# Altium PCB X-Fly.PcbDoc
Units mm, origin at the board's own origin, x right, y up, seen from the top; angles counter-clockwise.
Board outline 91.8 x 91.8 mm, 2 copper layers (Top Layer, Bottom Layer), stack 1.671 mm thick; 55 components, 37 nets, 194 pads, 79 vias.
Unrouted connection lines stored in the file: 15.
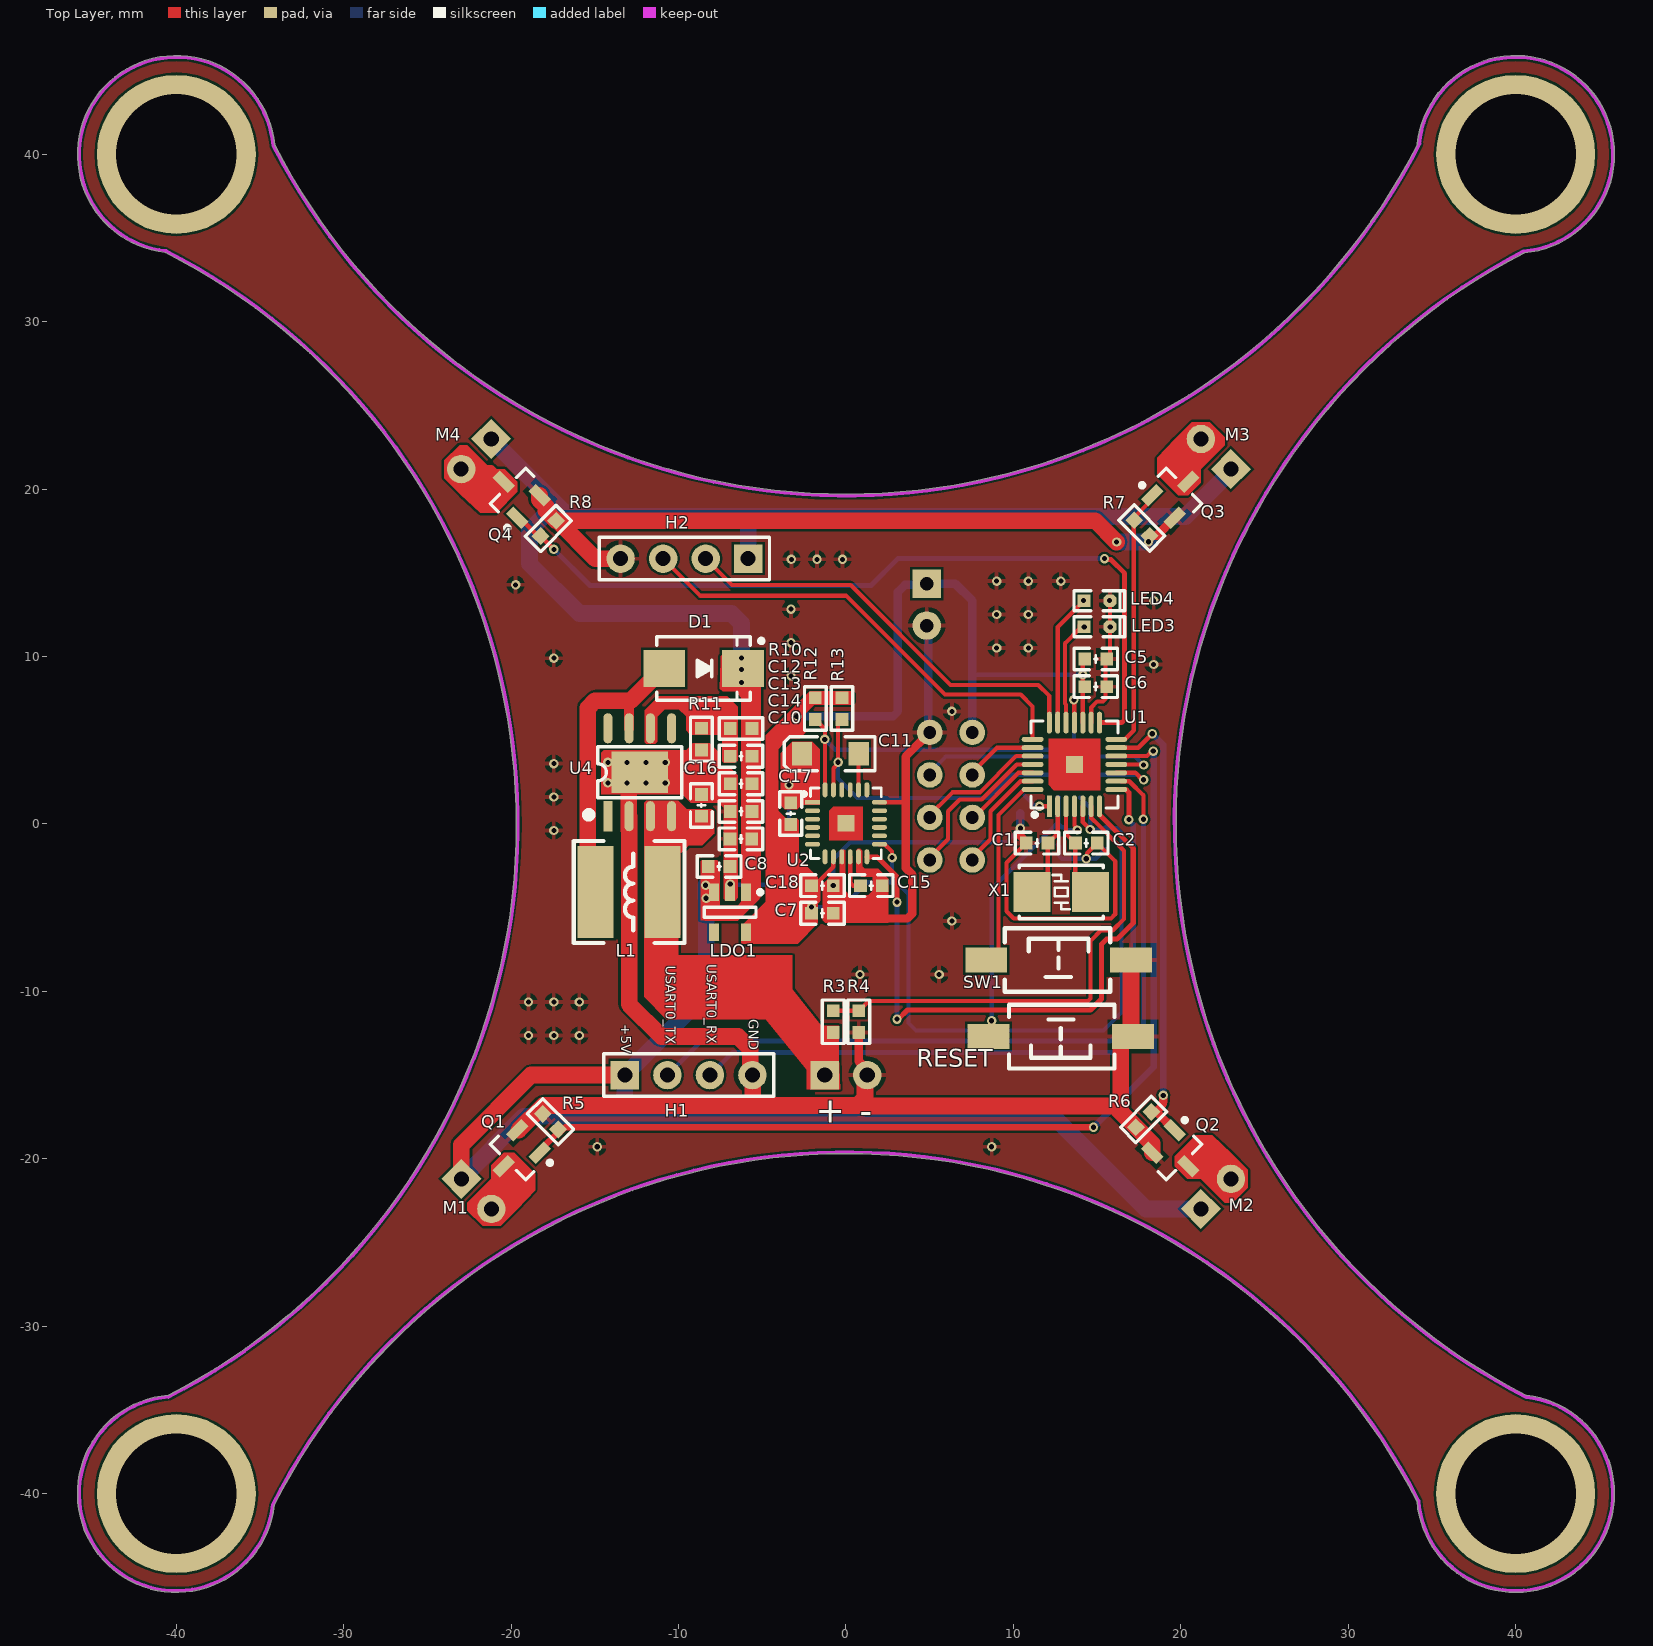
[diagram p0: Top Layer view]
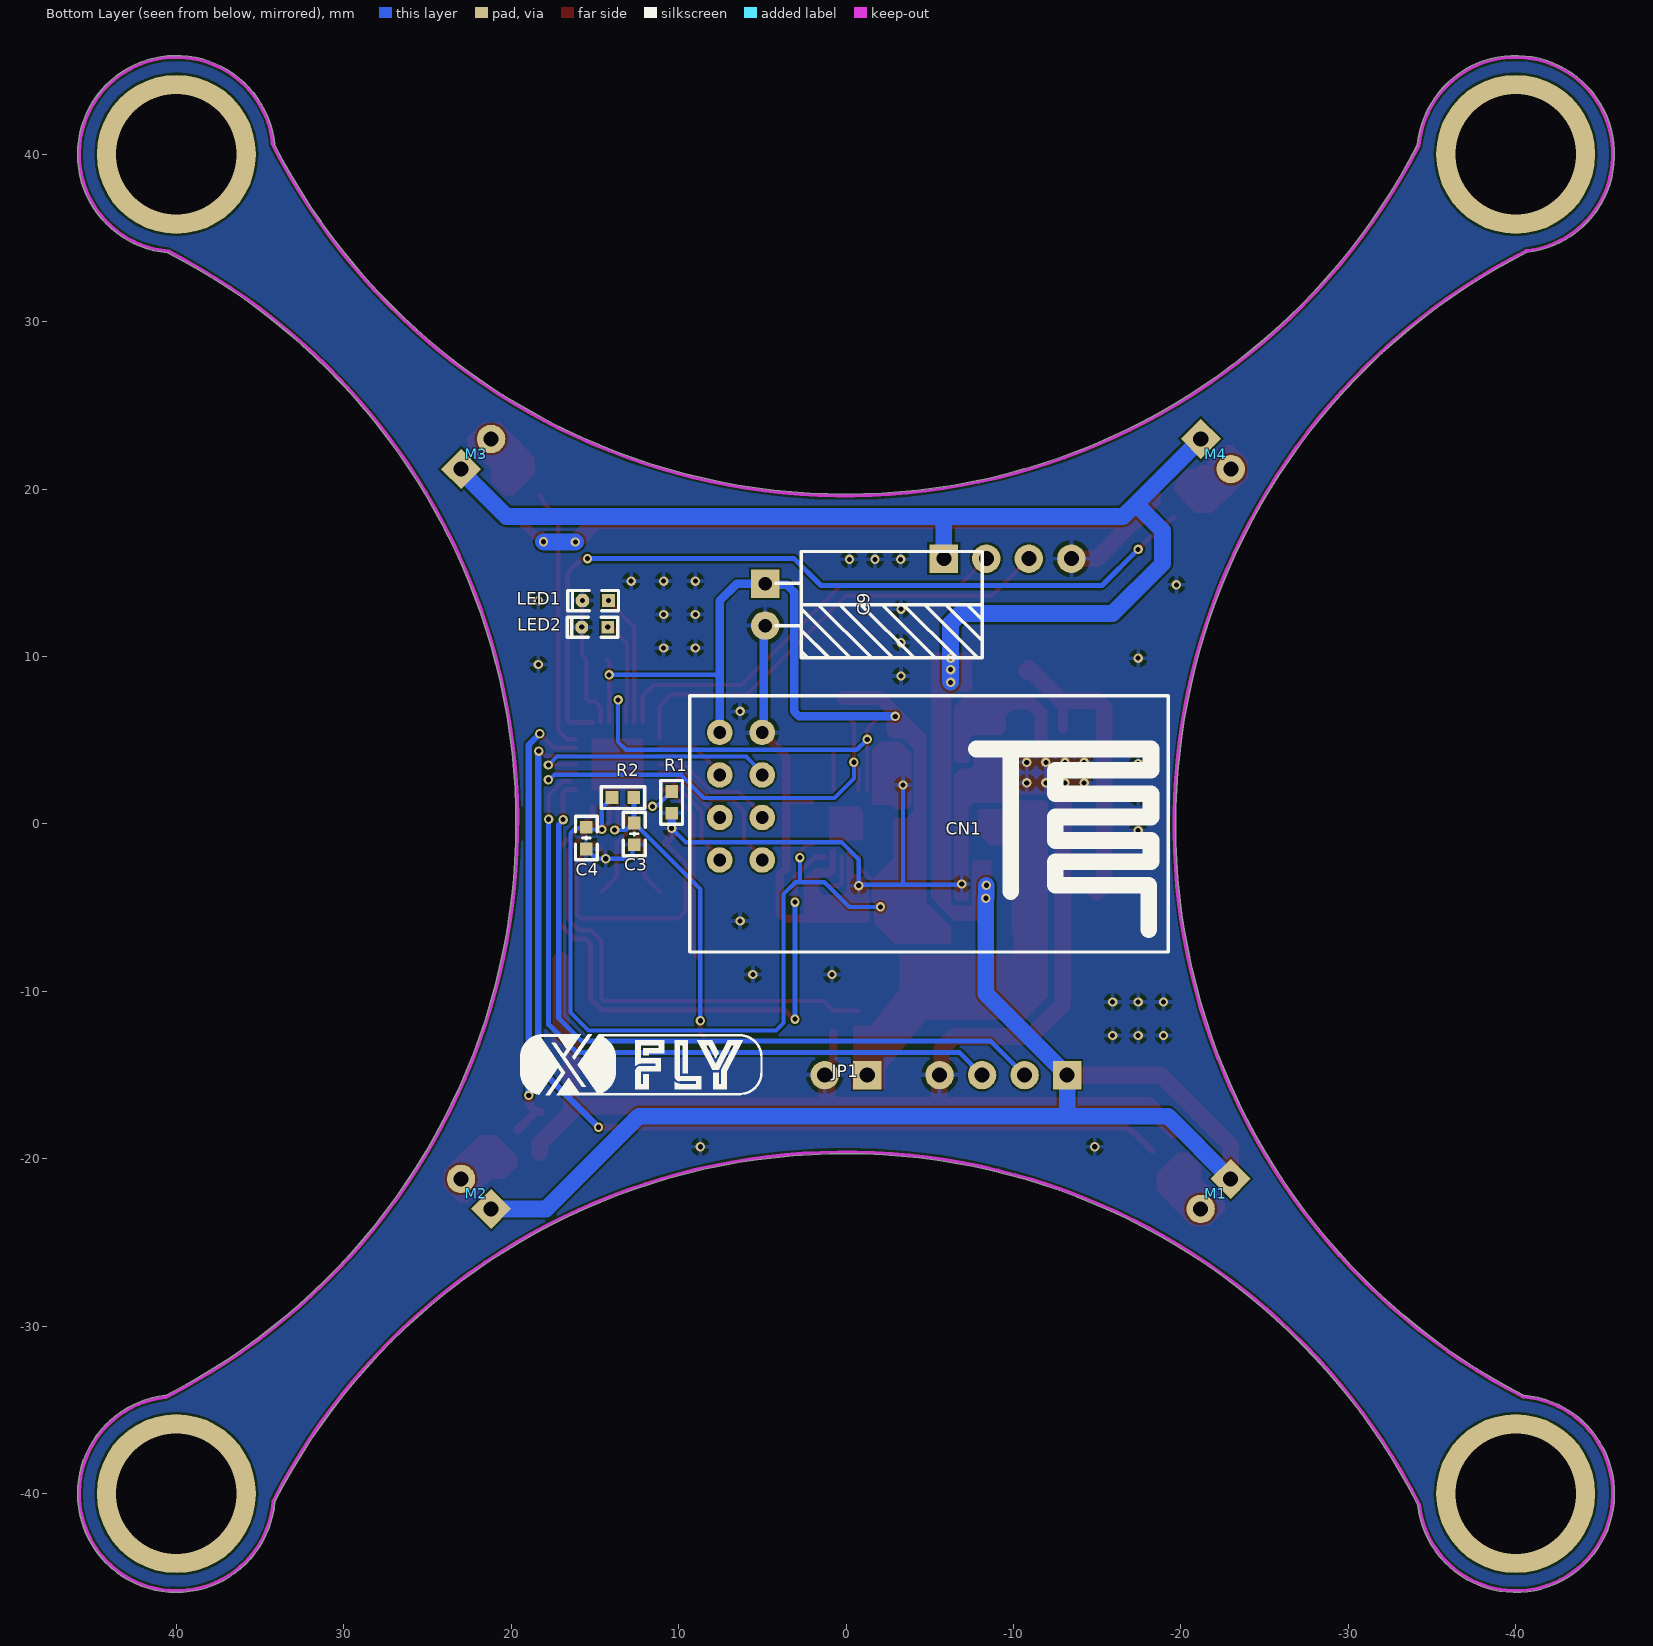
[diagram p1: Bottom Layer view, seen from below]

## Layer stack, top to bottom
Top Solder: solder mask 0.0102, Solder Resist, Dk 3.5
Top Layer: signal copper 0.0356
Dielectric 1: dielectric 1.6, FR-4, Dk 4.8
Bottom Layer: signal copper 0.0356
Bottom Solder: solder mask 0.0102, Solder Resist, Dk 3.5

## Board outline
-40.483,-34.119 ccw(c-40,-40) -34.138,-40.671 ccw(c-34.238,-40.66) -34.137,-40.66 ccw(c-34.238,-40.66) -34.137,-40.657 cw(c0.04,-58.031) 34.118,-40.464 ccw(c40,-40) 45.9,-40 ccw(c40,-40) 40.653,-34.136 cw(c58.054,0.028) 40.519,34.123 ccw(c40,40) 45.9,40 ccw(c40,40) 34.134,40.636 ccw(c34.234,40.626) 34.139,40.591 cw(c0,58.039) -34.127,40.567 ccw(c-40,40) -40.654,34.136 ccw(c-40.608,34.225) -40.654,34.136 cw(c-58.031,-0.04) -19.691,-0.04 cw(c-58.031,-0.04) -40.467,-34.119 ccw(c-40.474,-34.219)

## Design rules (kind name [scope] priority, off if disabled: settings)
Clearance [All] p1: gap=0.127 ignorepadtopadclearanceinfootprint=FALSE
ComponentClearance [All] p1: gap=-0.025 collisioncheckmode=3 verticalgap=-0.025 showdistances=FALSE
HoleSize [All] p1: absolutevalues=TRUE maxlimit=254 minlimit=0.025 maxpercent=80.000 minpercent=20.000
MinimumSolderMaskSliver [All] p1: minsoldermaskwidth=-0.025
PolygonConnect [All] p1: connectstyle=Relief reliefconductorwidth=0.254 reliefentries=4 polygonreliefangle="90 Angle" airgapwidth=0.254
RoutingVias [All] p1: holewidth=0.305 width=0.559 viastyle="Through Hole" minholewidth=0.305 minwidth=0.559 maxholewidth=254 maxwidth=254
SilkToSilkClearance [All] p1: silktosilkclearance=-0.025
SilkToSolderMaskClearance [IsPad] p1: minsilkscreentomaskgap=-0.025 clearancetoexposedcopper=TRUE
SolderMaskExpansion [All] p1: expansion=0.064
Width [All] p1: maxlimit=4 minlimit=0.254 preferedwidth=0.254
25 further rules are at their usual default settings.

## Components (designator, comment, footprint, x,y, rotation, side; value= is the part's Value field where it differs from the comment)
C1 "22pF" C0603_L 11.415,-1.143 r0 top
C2 "22pF" C0603_L 14.351,-1.143 r180 top
C3 "100nF" C0603_L 12.649,-0.59 r270 bottom
C4 "100nF" C0603_L 15.511,-0.838 r90 bottom
C5 "4.7uF" C0603_L 14.918,9.855 r0 top
C6 "100nF" C0603_L 14.918,8.204 r180 top
C7 "1uF" C0603_L -1.412,-5.334 r180 top
C8 "1uF" C0603_L -7.573,-2.54 r180 top
C9 "100uF" "CAP 2.5*6.3*11.2-H - BK" 4.826,13.101 r270 bottom locked
C10 "22uF" C0603_L -6.273,-0.889 r0 top
C11 "222" C_3216 -0.938,4.191 r0 top
C12 "22pF" C0603_L -6.266,4.051 r0 top
C13 "22uF" C0603_L -6.266,2.4 r0 top
C14 "104" C0603_L -6.266,0.749 r0 top
C15 "104" C0603_L 1.509,-3.683 r0 top
C16 "22uF" C0603_L -8.636,1.115 r270 top
C17 "103" C0603_L -3.302,0.62 r90 top
C18 "104" C0603_L -1.412,-3.683 r0 top
CN1 "A2005WV-2X4P" .4G无线模块 9.344,7.65 r270 bottom
D1 "SS24" SMB -8.509,9.286 r180 top
H1 "1125-1104G0S116C001" HDR2.54-WI-4P -9.398,-15 r0 top
H2 "1125-1104G0S116C001" HDR2.54-WI-4P -9.652,15.85 r180 top
JP1 "HDR-1X2" XH2.54-WI-2P 0,-15 r0 bottom
L1 "2.2uH" CD52 -12.954,-4.064 r180 top
LDO1 "ME6211C33M5G-N" SOT-23-5 -6.923,-5.277 r270 top
LED1 "红色" LED0603_R 14.963,13.344 r0 bottom
LED2 "红色" LED0603_R 15.008,11.755 r0 bottom
LED3 "红色" LED0603_R 14.993,11.775 r0 top (schematic designator LED2)
LED4 "红色" LED0603_R 14.993,13.335 r0 top (schematic designator LED1)
M1 "HDR-1X2" XH2.54-WI-2P -22.08,-22.098 r315 bottom locked
M2 "HDR-1X2" XH2.54-WI-2P 22.098,-22.098 r45 bottom locked
M3 "HDR-1X2" XH2.54-WI-2P 22.098,22.098 r135 bottom locked
M4 "HDR-1X2" XH2.54-WI-2P -22.089,22.098 r225 bottom locked
Q1 "SI2302" SOT23-3N -19.705,-19.705 r225 top
Q2 "SI2302" SOT23-3N 19.705,-19.705 r315 top
Q3 "SI2302" SOT23-3N 19.705,19.705 r45 top
Q4 "SI2302" SOT23-3N -19.705,19.705 r135 top
R1 "10K" R0603_L 10.414,1.296 r270 bottom
R2 "10K" R0603_L 13.328,1.575 r0 bottom
R3 "10K" R0603_L -0.762,-11.811 r90 top
R4 "10K" R0603_L 0.762,-11.811 r270 top
R5 "33K" R0603_L -17.653,-17.78 r315 top
R6 "33K" R0603_L 17.78,-17.653 r45 top
R7 "33K" R0603_L 17.673,17.678 r135 top
R8 "33K" R0603_L -17.78,17.653 r225 top
R10 "440K" R0603_L -6.266,5.702 r0 top
R11 "60K" R0603_L -8.636,5.065 r90 top
R12 "4.7K" R0603_L -1.831,6.89 r90 top
R13 "4.7K" R0603_L -0.242,6.89 r90 top
RESET "TSA363G25-250B" "SW SMD-3*6*5" 12.827,-12.7 r180 top (schematic designator SW2)
SW1 "TSA363G25-250B" "SW SMD-3*6*5" 12.7,-8.128 r0 top
U1 "GD32E230G4U6TR" "QFN28 5x5_M" 13.646,3.556 r0 top
U2 "MPU6050" "QFN24 4x4_N" 0,0.042 r270 top
U4 "MST9225" ESOP8_N -12.319,3.09 r90 top
X1 "8MHz" "OSC 5032-2P" 12.855,-4.064 r180 top

## Footprints (in the part's own frame and the unit in brackets; to place one, negate y for a bottom-side part, rotate by r counter-clockwise, add the part's x,y. Pads: shape width x height; smd on the part's side, far side on the other; paste and mask are expansions set on the pad)
.4G无线模块 [mil] "立创2.4G无线通信模块-Si24R1"
  round 60 hole 30: 1(85.83,170.87) 2(85.83,70.87) 3(185.83,170.87) 4(185.83,70.87) 5(285.83,170.87) 6(285.83,70.87) 7(385.83,170.87) 8(385.83,70.87)
  silkscreen extent 0,0 602,1126
C0603_L [mil] "无极性贴片电容"
  rect 30x30 smd: 1(-25.59,0) 2(25.59,0)
  silkscreen extent -51,-26 51,26, body extent -31,-16 31,16, height 33
C_3216 [mm] "A型贴片钽电容 长3.2mm，宽1.6mm，厚1.6mm"
  rect 1.2x1.4 smd: 1(-1.7,0) 2(1.7,0)
  silkscreen extent -2.74,-1.02 2.67,1.02, body extent -1.6,-0.8 1.6,0.8, height 1.63
"CAP 2.5*6.3*11.2-H - BK" [mm] "脚距2.5mm直径6.3mm高度11.2mm"
  rect 1.7x1.7 hole 0.8: 1(-1.25,0)
  round 1.7 hole 0.8: 2(1.25,0)
  silkscreen extent -3.17,0.63 3.18,12.95, body extent -3.08,-0.28 3.23,13.13, height 6.45
CD52 [mm] "5.8*5.2*3mm（长宽高）        淘宝ID:黄晶宝石"
  rect 2.15x5.5 smd: 1(-2,0) 2(2,0)
  silkscreen extent -3.3,-3.05 3.3,3.05, body extent -2.87,-2.5 2.87,2.5, height 3.2
ESOP8_N [mm] "5*6*1.8mm（长宽高）封装库来自淘宝卖家 ID：黄晶宝石"
  rect 1.8x0.55 smd: 1(-2.625,1.905)
  oval 1.8x0.55 smd: 2(-2.625,0.635) 3(-2.625,-0.635) 4(-2.625,-1.905) 5(2.625,-1.905) 6(2.625,-0.635) 7(2.625,0.635) 8(2.625,1.905)
  rect 2.5x3.4 smd paste-2: 9(0,0)
  rect 0.9x0.7 on Top Paste: 10(-0.625,0) 10(-0.625,-1.1) 10(-0.625,1.1) 11(0.65,0) 11(0.65,-1.1) 11(0.65,1.1)
  silkscreen extent -2.69,-2.5 1.52,3.2, body extent -3,-2.5 3,2.5
HDR2.54-WI-4P [mm] "弯脚排针，4脚"
  rect 1.7x1.7 hole 0.9: 1(-3.81,0)
  round 1.7 hole 0.9: 2(-1.27,0) 3(1.27,0) 4(3.81,0)
  silkscreen extent -5.08,-1.27 5.08,1.27, body extent -5.08,-7.77 5.08,1.27, height 4.9
LED0603_R [mil] "红色0603LED"
  rect 30x30 smd: 1(-30.59,0)
  oct 30x30 smd: 2(30.59,-0.01)
  silkscreen extent -54,-24 65,24, body extent -31,-16 31,16, height 24
"OSC 5032-2P" [mm] "5mm*3.2mm*0.8mm(长*宽*高)"
  rect 2.2x2.4 smd: 1(-1.75,0) 2(1.75,0)
  silkscreen extent -2.5,-1.6 2.5,1.6, body extent -2.5,-1.6 2.5,1.6, height 0.86
"QFN24 4x4_N" [mm] "24脚，长x宽x高：4x4x1mm，脚距：0.5mm"
  rect 0.28x0.9 smd: 1(-1.25,-2)
  oval 0.28x0.9 smd: 2(-0.75,-2) 3(-0.25,-2) 4(0.25,-2) 5(0.75,-2) 6(1.25,-2) 13(1.25,2) 14(0.75,2) 15(0.25,2) 16(-0.25,2) 17(-0.75,2) 18(-1.25,2)
  oval 0.9x0.28 smd: 7(2,-1.25) 8(2,-0.75) 9(2,-0.25) 10(2,0.25) 11(2,0.75) 12(2,1.25) 19(-2,1.25) 20(-2,0.75) 21(-2,0.25) 22(-2,-0.25) 23(-2,-0.75) 24(-2,-1.25)
  rect 1x1 smd: 25(0,0)
  Top Layer region: -1,1 1,1 1,-1 -0.75,-1 -1,-0.75
  silkscreen extent -2.11,-2.6 2.11,2.11, body extent -2.01,-2.01 2.01,2.01, height 0.95
"QFN28 5x5_M" [mm] "28脚，长x宽x高：5x5x0.8mm，脚距：0.5mm"
  rect 0.3x1.3 smd: 1(-1.5,-2.5)
  oval 0.3x1.3 smd: 2(-1,-2.5) 3(-0.5,-2.5) 4(0,-2.5) 5(0.5,-2.5) 6(1,-2.5) 7(1.5,-2.5) 15(1.5,2.5) 16(1,2.5) 17(0.5,2.5) 18(0,2.5) 19(-0.5,2.5) 20(-1,2.5) 21(-1.5,2.5)
  oval 1.3x0.3 smd: 8(2.5,-1.5) 9(2.5,-1) 10(2.5,-0.5) 11(2.5,0) 12(2.5,0.5) 13(2.5,1) 14(2.5,1.5) 22(-2.5,1.5) 23(-2.5,1) 24(-2.5,0.5) 25(-2.5,0) 26(-2.5,-0.5) 27(-2.5,-1) 28(-2.5,-1.5)
  rect 1x1 smd: 29(0,0)
  Top Layer region: -1.55,1.55 1.55,1.55 1.55,-1.55 -1.225,-1.55 -1.55,-1.225
  silkscreen extent -2.6,-3.12 2.6,2.6, body extent -2.51,-2.51 2.51,2.51
R0603_L [mil] "1/10W贴片电阻"
  rect 30x30 smd: 1(-25.59,0) 2(25.59,0)
  silkscreen extent -51,-26 51,26, body extent -31,-16 32,16, height 16
SMB [mm] "4.7*3.9*2.2mm(长宽高，不包括引脚）"
  rect 2.5x2.2 smd: 1(2.35,0) 2(-2.35,0)
  silkscreen extent -3.57,-1.9 2.8,1.9, body extent -2.65,-1.8 2.65,1.8, height 2.35
SOT23-3N [mm] "SOT23, 3-Leads, Body 2.9x1.3mm, Pitch 0.95mm, Lead Span 2.4mm, IPC Medium Density"
  rect 1.3x0.6 smd: 1(-1.05,0.95) 2(-1.05,-0.95) 3(1.05,0)
  silkscreen extent -1.17,-1.5 0.7,1.92, body extent -1.2,-1.5 1.2,1.5, height 1.05
SOT-23-5 [mm] "SOT23, 5-Leads, Body 2.9x1.6mm, Pitch 0.95mm, IPC Medium Density"
  rect 1.05x0.6 smd: 1(-1.2,0.95) 2(-1.2,0) 3(-1.2,-0.95) 4(1.2,-0.95) 5(1.2,0.95)
  silkscreen extent -1.32,-1.55 0.3,1.92, body extent -1.4,-1.5 1.4,1.5, height 1.15
"SW SMD-3*6*5" [mm] "3*6*5mm                                 淘宝ID:黄晶宝石"
  rect 2.5x1.5 smd: 1(-4.318,0) 2(4.318,0)
  silkscreen extent -3.21,-1.9 3.09,1.9, body extent -4.6,-1.75 4.6,1.75, height 5.1
XH2.54-WI-2P [mm] "接插件，2P"
  rect 1.7x1.7 hole 0.9: 1(-1.27,0)
  round 1.7 hole 0.9: 2(1.27,0)

## Part data
C1 C2: BOM_JLCPCB Part Class="Extended Part", BOM_Manufacturer=YAGEO, BOM_Manufacturer Part=CC0603JRNPO9BN220, BOM_Supplier=LCSC, BOM_Supplier Part=C105620, nameAlias=Capacitance, spicePre=C, spiceSymbolName=CC0603JRNPO9BN220
C3 C4 C6: BOM_JLCPCB Part Class="Basic Part", BOM_Manufacturer=YAGEO, BOM_Manufacturer Part=CC0603KRX7R9BB104, BOM_Supplier=LCSC, BOM_Supplier Part=C14663, nameAlias=Capacitance, spicePre=C, spiceSymbolName=CC0603KRX7R9BB104
C5: BOM_JLCPCB Part Class="Basic Part", BOM_Manufacturer=SAMSUNG, BOM_Manufacturer Part=CL10A475KO8NNNC, BOM_Supplier=LCSC, BOM_Supplier Part=C19666, nameAlias=Capacitance, spicePre=C, spiceSymbolName=CL10A475KO8NNNC
C7 C8: BOM_JLCPCB Part Class="Basic Part", BOM_Manufacturer=SAMSUNG, BOM_Manufacturer Part=CL10A105KB8NNNC, BOM_Supplier=LCSC, BOM_Supplier Part=C15849, nameAlias=Capacitance, spicePre=C, spiceSymbolName=CL10A105KB8NNNC
C9: BOM_JLCPCB Part Class="Extended Part", BOM_Manufacturer=Rubycon, BOM_Manufacturer Part=35YXJ100M6.3X11, BOM_Supplier=LCSC, BOM_Supplier Part=C88754, nameAlias=Capacitance, spicePre=C, spiceSymbolName=35YXJ100M6.3X11
C10 C11 C12 C13 C14 C15 C16 C17 C18: library part C, "贴片电容"
CN1: BOM_JLCPCB Part Class="Extended Part", BOM_Manufacturer="Changjiang Connectors", BOM_Manufacturer Part=A2005WV-2x4P, BOM_Supplier=LCSC, BOM_Supplier Part=C225289, Contributor=LCSC, spicePre=C, spiceSymbolName=A2005WV-2X4P
D1: "肖特基二极管"
H1 H2: BOM_Manufacturer=Wcon(维峰电, BOM_Manufacturer Part=1125-1104G0S116C001, BOM_Supplier=LCSC, BOM_Supplier Part=C920779, Contributor=LCSC, spicePre=H, spiceSymbolName=1125-1104G0S116C001
JP1 M1 M2 M3 M4: library part "Header 2", "2P接插件", BOM名称=2P接插件, 封装库来自淘宝卖家 ID：黄晶宝石=其他店铺购入均为盗, 联系卖家，免费查找封装=唯一出售店铺网址https://shop463601444.taobao.c
L1: library part L-NR, "太诱-NR磁胶电感"
LDO1: BOM_JLCPCB Part Class="Extended Part", BOM_Manufacturer=MICRONE, BOM_Manufacturer Part=ME6211C33M5G-N, BOM_Supplier=LCSC, BOM_Supplier Part=C82942, spicePre=L, spiceSymbolName=ME6211C33M5G-N
LED1 LED2 LED3 LED4: library part LED-SMD, "贴片LED", BOM名称=贴片LED, 封装库来自淘宝卖家 ID：黄晶宝石=ÆäËûµêÆÌ¹ºÈë¾ùÎª¼ÙÃ°£¬ÇëÁ¢¼´ÉêÇëÍ
Q1 Q2 Q3 Q4: "N沟道 20V/3A"
R1 R2 R3 R4: BOM_JLCPCB Part Class="Extended Part", BOM_Manufacturer=YAGEO, BOM_Manufacturer Part=RC0603FR-0710KL, BOM_Supplier=LCSC, BOM_Supplier Part=C98220, nameAlias="Resistance (Ohms)", spicePre=R, spiceSymbolName=RC0603FR-0710KL
R5 R6 R7 R8 R10 R11 R12 R13: library part R, "贴片电阻"
RESET SW1: BOM_JLCPCB Part Class="Extended Part", BOM_Manufacturer=BRIGHT, BOM_Manufacturer Part=TSA363G25-250B, BOM_Supplier=LCSC, BOM_Supplier Part=C354943, Contributor=LCSC, spicePre=S, spiceSymbolName=TSA363G25-250B
U1: BOM_JLCPCB Part Class="Extended Part", BOM_Manufacturer="GigaDevice Semicon Beijing", BOM_Manufacturer Part=GD32E230G4U6TR, BOM_Supplier=LCSC, BOM_Supplier Part=C380784, Contributor=LCSC, spicePre=U, spiceSymbolName=GD32E230G4U6TR
U4: "单节锂电池2A升压芯片"
X1: BOM_JLCPCB Part Class="Extended Part", BOM_Manufacturer="Zhejiang Abel Elec", BOM_Manufacturer Part=-, BOM_Supplier=LCSC, BOM_Supplier Part=C122522, Contributor=LCSC, nameAlias=Frequency, spicePre=X, spiceSymbolName="SMD-5032_2P 8M 20pf 30ppm"

## Free pads (board coordinates)
  round 9.5 hole 7.2: ""(-40,-40) ""(-40,40) ""(40,-40) ""(40,40)

## Via types
v1: diameter 0.559, hole 0.305, Top Layer to Bottom Layer, tented both sides, 69 vias
v2: diameter 0.559, hole 0.305, Top Layer to Bottom Layer, tented bottom, 6 vias
v3: diameter 0.559, hole 0.305, Top Layer to Bottom Layer, 4 vias

## Nets (pads, with @x,y where several pads share a name; then routed paths per layer and width w, separated by ;. In a path a pad name is that pad's centre, name@x,y a point inside that pad or via, vN(x,y) a via of type N, cw(c..) or ccw(c..) an arc to the next point about the centre after c; other vN are vias at no path point)
3V3: C4.2 C5.1 C6.2 C7.2 C9.1 C17.1 C18.1 CN1.2 LDO1.5 R2.2 R12.2 R13.2 U1.5 U1.17 U2.8 U2.13 | length 92.5
  Top Layer w0.254: C18.1 -2.057,-3.688 v1(-2.057,-4.953) -1.656,-4.551 -1.656,-3.456 -0.755,-2.555 -0.755,-1.963 U2.8 ; U2.13 2.31,-1.208 2.743,-1.641 v1@2.743,-1.958 ; U1.5 14.146,0.121 14.584,-0.318 v1(14.584,-0.327) ; U1.17 14.146,6.915 ; C5.1 14.146,9.733 v1(14.146,8.909) 14.146,7.743 ; 14.146,6.915 14.146,7.743 ; 14.146,6.915 14.146,7.743
  Top Layer w0.5: v1(-2.941,6.431) R12.2 R13.2
  Bottom Layer w0.254: v1(-2.057,-4.953) -0.193,-4.953 1.28,-3.48 2.752,-3.48 ; v1(2.752,-2.008) 2.752,-3.48 ; 7.544,8.839 7.614,8.909 v1(14.146,8.909) ; R2.2 14.592,0.962 14.592,-0.32 v1(14.584,-0.327) ; v1@14.634,-0.278 14.683,-0.327 15.372,-0.327 C4.2 15.576,-0.254 16.164,-0.254 16.459,-0.55 16.459,-11.255 15.38,-12.334 4.181,-12.334 3.734,-11.887 3.734,-4.191 3.023,-3.48 2.752,-3.48
  Bottom Layer w0.5: v1(-2.941,6.431) 2.806,6.431 3.099,6.724 3.099,13.865 3.519,14.285 4.76,14.285 C9.1 6.528,14.351 7.544,13.335 7.544,8.839 CN1.2
+5V: C8.2 C10.2 C12.2 C13.2 C14.2 D1.2 H1.1 H2.1 LDO1.1 LDO1.3 M1.1 M2.1 M3.1 M4.1 R10.2 | length 149.1
  Top Layer w1: M1.1 -22.978,-19.168 -18.81,-15 H1.1
  Bottom Layer w1: M1.1 -19.228,-17.45 -13.208,-17.45 ; M4.1 -17.309,19.114 ; v2(-8.382,-3.658) -8.382,-4.405 v1(-8.353,-4.434) -8.353,-10.145 H1.1 -13.208,-17.45 ; v2(-6.248,8.458) -6.247,11.987 -6.833,12.573 -15.926,12.573 -18.898,15.545 -18.898,17.526 -17.309,19.114 ; H2.1 -5.842,18.313 -5.791,18.364 ; M2.1 17.91,-22.996 12.364,-17.45 -13.208,-17.45 ; M3.1 22.996,21.073 20.287,18.364 -5.791,18.364 ; -17.309,19.114 -16.559,18.364 -5.791,18.364
  other v2: -6.248,9.22 -6.247,9.906
ADC_BAT: R3.2 R4.1 U1.6 | length 29.2
  Top Layer w0.254: R3.2 0.762,-11.161 1.356,-10.567 14.456,-10.567 14.605,-10.418 14.605,-6.981 15.236,-6.35 15.938,-6.35 16.611,-5.676 16.611,-1.6 14.87,0.142 14.859,0.142 14.646,0.355 U1.6
BAT: C16.2 JP1.1 L1.1 R3.1 U4.3 U4.4 | length 4.4
  Top Layer w0.508: JP1.1 -0.762,-14.492 R3.1
  Top Layer w1: L1.1@-10.954,-5.739 L1.1
GND: C1.1 C2.1 C3.2 C4.1 C5.2 C6.1 C7.1 C8.1 C9.2 C10.1 C11.1 C13.1 C14.1 C15.2 C16.1 C17.2 C18.2 CN1.1 H1.4 H2.4 JP1.2 LDO1.2 LED1.2 LED2.2 LED3.2 LED4.2 Q1.2 Q2.2 Q3.2 Q4.2 R1.2 R4.2 R5.1 R6.1 R7.1 R8.1 R11.1 RESET.1 SW1.2 U1.16 U2.1 U2.9 U2.11 U2.18 U4.2 U4.9 | length 207.1
  Top Layer w0.254: C17.2 C17.2@-3.28,1.292 ; C11.1 -3.111,3.718 -3.111,1.461 C17.2@-3.28,1.292 ; U2.1 C17.2@-3.28,1.292 ; U2.18 3.464,1.292 3.569,1.397 ; C1.1 9.594,-2.314 9.594,-5.212 10.024,-5.643 15.829,-5.643 16.077,-5.395 16.077,-2.219 C2.1 14.401,-1.743 14.401,-1.982 v1@14.351,-2.032 ; U1.16 14.646,6.96 15.001,7.315 15.348,7.315 15.497,7.464 15.497,9.784 C5.2 15.77,10.057 LED4.2
  Top Layer w0.5: 1.816,-5.647 3.67,-5.647 3.962,-5.354 3.962,-3.026 3.569,-2.632 3.569,1.397 ; 3.56,1.397 3.56,4.026 CN1.1 ; C9.2 C9.2@4.855,11.822 ; v1(10.414,-0.254) 10.414,-0.719 10.634,-0.939 10.634,-1.012 C1.1 ; v2(18.07,16.86) 18.07,16.876 18.132,16.939 R7.1 18.562,17.219 Q3.2
  Top Layer w0.508: R4.2 0.762,-14.169 1.27,-14.677 JP1.2
  Top Layer w1: Q1.2@-19.554,-18.29 -18.074,-16.81 -5.563,-16.81 ; Q4.2 -18.326,19.598 -18.326,19.386 -17.919,18.979 -17.919,18.711 R8.1 R8.1@-17.244,18.113 ; H2.4 -14.981,15.85 R8.1@-17.244,18.113 ; U4.2 -12.954,-10.77 -11.024,-12.7 -6.441,-12.7 -5.722,-13.419 -5.722,-14.866 H1.4 -5.563,-15.025 -5.563,-16.81 ; U4.9@-12.954,2.455 U4.9 U4.9@-11.569,2.34 ; JP1.2 1.136,-15.134 1.136,-16.358 ; 15.824,-16.84 1.136,-16.84 1.136,-16.358 ; 16.095,-16.888 16.41,-17.203 ; v1(16.164,16.84) 14.891,18.113 R8.1@-17.244,18.113 ; RESET.1@17.018,-12.7 SW1.2 ; RESET.1 16.66,-12.7 16.41,-12.95 16.41,-17.203 ; Q2.2 18.29,-19.083 R6.1 16.41,-17.203 ; -5.563,-16.81 0.684,-16.81 1.136,-16.358
  Bottom Layer w0.254: v1(-6.916,-3.586) -6.867,-3.634 -3.259,-3.634 ; v1(-3.403,2.331) -3.403,-3.49 -3.259,-3.634 ; v1(10.414,-0.254) 9.585,-1.084 0.277,-1.084 -0.762,-2.123 v1(-0.762,-3.683) -0.811,-3.634 -3.259,-3.634 ; C3.2 12.755,-1.345 12.755,-1.929 12.903,-2.078 v1(14.351,-2.078) 14.921,-2.078 C4.1
  Bottom Layer w0.5: C9.2 4.915,11.762 4.915,5.559 CN1.1 ; v1(10.414,-0.254) R1.2
  Bottom Layer w1: v1(16.164,16.84) 18.05,16.84 v2(18.07,16.86)
  other v1: -14.859,-19.279 8.703,-19.279 -18.963,-12.634 -17.45,-12.634 -15.926,-12.634 -18.963,-10.637 -17.45,-10.637 -15.926,-10.637 0.838,-8.992 5.563,-8.992 6.325,-5.791 -17.45,-0.387 -17.45,1.61 -14.224,2.455 -13.081,2.455 -11.938,2.455 -10.795,2.455 -17.45,3.607 -14.224,3.683 -13.081,3.683 -11.938,3.683 -10.795,3.683 6.325,6.724 -3.284,8.839 18.377,9.525 -17.45,9.906 8.996,10.516 10.897,10.516 -3.284,10.836 8.996,12.512 10.897,12.512 -3.284,12.833 18.377,13.335 -19.736,14.285 8.996,14.509 10.897,14.509 12.833,14.509 -3.259,15.81 -1.735,15.81 -0.211,15.81
  other v3: 15.784,11.755 15.74,13.344
I2C_SCL: R13.1 U1.10 U2.23 | length 26.6
  Top Layer w0.254: U2.23 -0.75,3.325 -0.47,3.605 -0.47,6.012 R13.1 ; U1.10 16.155,3.047 16.164,3.056 17.283,3.056 17.698,2.641 v1(17.78,2.641)
  Bottom Layer w0.254: v1(-0.47,3.687) -0.47,2.713 0.686,1.557 8.496,1.557 9.83,2.89 9.83,2.946 17.41,2.946 v1@17.715,2.641
I2C_SDA: R12.1 U1.18 U2.24 | length 23.7
  Top Layer w0.254: R12.1 -1.25,5.659 -1.25,5.076 v1(-1.27,5.056) -1.255,5.041 -1.255,2.047 U2.24 ; v1(13.613,7.415) 13.637,7.39 13.637,6.065 U1.18
  Bottom Layer w0.254: v1(-1.27,5.056) -0.645,4.431 13.137,4.431 13.613,4.906 v1(13.613,7.415)
LED_0: LED1.1 LED4.1 U1.20 | length 7.9
  Top Layer w0.254: U1.20 12.646,11.764 LED4.1
  other v3: 14.186,13.344
LED_1: LED2.1 LED3.1 U1.19 | length 6.2
  Top Layer w0.254: U1.19 13.146,7.127 13.079,7.194 13.079,10.79 13.955,11.666 LED3.1@13.955,11.851
  other v3: 14.23,11.755
MP_INT: U1.7 U2.12 | length 37
  Top Layer w0.3: U2.12@1.26,-1.972 1.86,-1.972 3.048,-3.16 v1(3.048,-4.666) ; v1(3.048,-11.659) 3.118,-11.659 3.671,-11.106 14.605,-11.106 15.257,-10.454 15.257,-7.18 15.568,-6.868 16.202,-6.868 17.158,-5.912 17.158,-1.455 15.146,0.556 U1.7
  Bottom Layer w0.3: v1(3.048,-11.659) v1(3.048,-4.666)
NetC1_2: C1.2 U1.2 X1.2 | length 5.8
  Top Layer w0.254: X1.2 12.055,-3.114 12.055,-1.153 C1.2 12.646,-0.562 U1.2
NetC2_2: C2.2 U1.3 X1.1 | length 5.7
  Top Layer w0.254: U1.3 13.146,-0.588 C2.2 13.701,-3.16 X1.1
NetC3_1: C3.1 R2.1 RESET.2 U1.4 | length 18.8
  Top Layer w0.254: RESET.2 8.703,-12.506 v2(8.703,-11.755) ; U1.4 13.646,-0.099 13.821,-0.273 v1(13.821,-0.356)
  Bottom Layer w0.254: v2(8.703,-11.755) 8.703,-3.887 C3.1 12.903,-0.194 12.992,-0.194 13.154,-0.356 v1(13.821,-0.356)
  Bottom Layer w0.3: C3.1 12.664,0.074 12.664,1.561 R2.1
NetC11_2: C11.2 U2.20 | length 2.2
  Top Layer w0.254: U2.20 0.75,4.179 C11.2
NetC12_1: C12.1 R10.1 R11.2 U4.6
NetC15_1: C15.1 U2.10 | length 2.2
  Top Layer w0.254: U2.10 0.25,-3.513 0.42,-3.683 C15.1
NetD1_1: D1.1 L1.2 U4.7 | length 18.5
  Top Layer w0.61: U4.7 -12.954,7.366
  Top Layer w1: L1.2 -15.423,-3.595 -15.423,6.929 -14.986,7.366 -12.954,7.366 -12.856,7.366 -10.936,9.286 D1.1@-10.795,9.145
NetM1_2: M1.2 Q1.3
NetM2_2: M2.2 Q2.3
NetM3_2: M3.2 Q3.3
NetM4_2: M4.2 Q4.3 | length 2.9
  Top Layer w0.5: M4.2 -21.2,21.2 Q4.3
NetR1_1: R1.1 U1.1 | length 1.7
  Top Layer w0.254: v1(11.557,1.056) U1.1
  Bottom Layer w0.254: R1.1@10.668,1.692 11.255,1.106 11.507,1.106 v1(11.557,1.056)
NetSW1_1: SW1.1 U1.28 | length 11.5
  Top Layer w0.254: SW1.1@8.672,-8.128 9.115,-7.685 9.115,0.536 10.636,2.056 U1.28
NRF_CE: CN1.3 U1.11 | length 15.2
  Top Layer w0.254: U1.11 17.673,3.556 v1@17.706,3.523
  Bottom Layer w0.254: CN1.3@4.826,2.9 5.965,4.039 17.264,4.039 v1(17.78,3.523)
NRF_IRQ: CN1.8 U1.27 | length 6.7
  Top Layer w0.254: CN1.8@7.366,-2.18 8.636,-0.91 8.636,0.763 10.429,2.556 U1.27
PWM_A: Q1.1 R5.2 U1.12 | length 60
  Top Layer w0.254: U1.12 17.975,4.056 18.27,4.351 v1(18.353,4.351)
  Top Layer w0.381: Q1.1@-18.29,-19.507 R5.2@-17.071,-18.288 ; R5.2@-17.071,-18.415 -16.769,-18.113 v1(14.783,-18.113)
  Bottom Layer w0.381: v1(14.783,-18.113) 18.377,-14.519 18.377,4.327 v1(18.353,4.351)
PWM_B: Q2.1 R6.2 U1.13 | length 27.6
  Top Layer w0.254: U1.13 17.46,4.556 v1(18.295,5.391) ; R6.2 R6.2@18.388,-17.193
  Top Layer w0.508: R6.2 ccw(c18.24,-16.484) 18.95,-16.484 v1(18.95,-16.206) ; R6.2@18.388,-17.193 18.537,-17.193 Q2.1
  Bottom Layer w0.381: v1(18.295,5.391) 18.95,4.736 v1@18.95,-16.18
PWM_C: Q3.1 R7.2 U1.14 | length 15.7
  Top Layer w0.254: U1.14 16.646,5.056 17.194,5.604 17.194,18.113 17.205,18.141 17.306,18.405 18.043,19.142 Q3.1
PWM_D: Q4.1 R8.2 U1.15 | length 49.3
  Top Layer w0.3: Q4.1 -19.485,18.29 -18.388,17.193 R8.2 v1(-17.45,16.404) v1@-17.45,16.383 ; U1.15 16.47,6.056 16.646,6.232 16.646,14.974 15.82,15.8 15.494,15.8 v1(15.445,15.85)
  Bottom Layer w0.3: v1(-17.45,16.404) -15.287,14.241 1.49,14.241 3.099,15.85 v1(15.445,15.85)
SPI0_MISO: CN1.7 U1.25 | length 9.7
  Top Layer w0.254: CN1.7@4.826,-2.18 6.096,-0.91 6.096,0.762 6.798,1.464 8.109,1.464 10.201,3.556 U1.25
SPI0_MOSI: CN1.6 U1.26 | length 4.9
  Top Layer w0.254: CN1.6@7.366,0.36 7.609,0.36 10.305,3.056 U1.26
SPI0_NSS: CN1.4 U1.23 | length 4.5
  Top Layer w0.254: CN1.4@7.366,2.9 9.022,4.556 U1.23
SPI0_SCLK: CN1.5 U1.24 | length 7.9
  Top Layer w0.254: CN1.5@4.826,0.36 6.357,1.891 7.997,1.891 10.162,4.056 U1.24
SWCLK: H2.3 U1.22 | length 27.7
  Top Layer w0.254: H2.3 -8.712,13.64 0,13.64 5.908,7.732 10.438,7.732 11.146,7.024 U1.22
SWDIO: H2.2 U1.21 | length 25.5
  Top Layer w0.254: H2.2 -6.802,14.27 0.284,14.27 6.248,8.306 11.481,8.306 12.146,7.641 U1.21
USART0_RX: H1.3 U1.9 | length 42.5
  Top Layer w0.254: U1.9@16.458,2.556 16.918,2.556 17.763,1.711 v1(17.763,0.282)
  Bottom Layer w0.3: H1.3 -6.768,-13.64 16.103,-13.64 17.763,-11.979 v1(17.763,0.282)
USART0_TX: H1.2 U1.8 | length 43.6
  Top Layer w0.3: U1.8 16.72,2.056 16.896,1.88 v1(16.896,0.262)
  Bottom Layer w0.3: H1.2 -8.622,-12.954 15.806,-12.954 17.158,-11.602 17.158,-0.043 16.896,0.22 v1(16.896,0.262)
pads on no net: LDO1.4 U1.29 U2.2 U2.3 U2.4 U2.5 U2.6 U2.7 U2.14 U2.15 U2.16 U2.17 U2.19 U2.21 U2.22 U2.25 U4.1 U4.5 U4.8 U4.10 U4.11

## Polygon pours and split planes (outlines as drawn)
GND on Bottom Layer "GND_L02_P001" (solid, pour order 1): -40.483,-34.119 ccw(c-40,-40) -34.138,-40.671 ccw(c-34.238,-40.66) -34.137,-40.66 ccw(c-34.238,-40.66) -34.137,-40.657 cw(c0.04,-58.031) 34.118,-40.464 ccw(c40,-40) 45.9,-40 ccw(c40,-40) 40.653,-34.136 cw(c58.054,0.028) 40.519,34.123 ccw(c40,40) 45.9,40 ccw(c40,40) 34.134,40.636 ccw(c34.234,40.626) 34.139,40.591 cw(c0,58.039) -34.127,40.567 ccw(c-40,40) -40.654,34.136 ccw(c-40.608,34.225) -40.654,34.136 cw(c-58.031,-0.04) -19.691,-0.04 cw(c-58.031,-0.04) -40.467,-34.119 ccw(c-40.474,-34.219)
GND on Top Layer "GND_L01_P000" (solid, pour order 0): -40.483,-34.119 ccw(c-40,-40) -34.138,-40.671 ccw(c-34.238,-40.66) -34.137,-40.66 ccw(c-34.238,-40.66) -34.137,-40.657 cw(c0.04,-58.031) 34.118,-40.464 ccw(c40,-40) 45.9,-40 ccw(c40,-40) 40.653,-34.136 cw(c58.054,0.028) 40.519,34.123 ccw(c40,40) 45.9,40 ccw(c40,40) 34.134,40.636 ccw(c34.234,40.626) 34.139,40.591 cw(c0,58.039) -34.127,40.567 ccw(c-40,40) -40.654,34.136 ccw(c-40.608,34.225) -40.654,34.136 cw(c-58.031,-0.04) -19.691,-0.04 cw(c-58.031,-0.04) -40.467,-34.119 ccw(c-40.474,-34.219)

## Keep-outs
Keep-Out Layer:
  lines w0.2: -40.608,34.225 cw(c-58.031,-0.04) -40.468,-34.233 ; -40.608,34.232 cw(c-40,40) -34.224,40.528 ; -40.474,-34.219 ccw(c-40,-40) -34.238,-40.66 ; -34.251,-40.658 cw(c0.04,-58.031) 34.21,-40.423 ; -34.22,40.528 ccw(c0,58.039) 34.268,40.622 ; 34.215,-40.423 ccw(c40,-40) 40.641,-34.235 ; 34.234,40.626 cw(c40,40) 40.475,34.219 ; 40.475,34.213 ccw(c58.054,0.028) 40.64,-34.242

## Other copper
Top Layer:
  region net +5V: -7.493,9.728 -7.493,10.026 -7.283,10.236 -6.985,10.236 -5.08,10.236 -5.08,10.109 -5.08,9.728 -5.08,-4.343 -5.22,-4.535 -6.476,-5.79 -8.445,-5.79 -8.445,-3.823 -8.445,-3.607 -8.356,-3.607 -7.537,-3.607 -7.537,-4.877 -6.477,-4.877 -6.248,-4.648 -6.248,7.536 -6.582,7.929 -7.375,7.929 -7.537,8.09
  pour cut-out: -12.954,-10.325 -11.508,-10.325 -11.049,-9.866 -9.754,-11.161 -4.895,-11.161 -1.858,-14.198 -1.858,-16.358 -5.22,-16.358 -5.989,-15.59 -5.989,-13.152 -10.369,-13.152 -12.954,-10.567
  pour cut-out: -15.392,2.057 -15.226,1.891 -12.979,1.891 -12.979,-7.104 -13.187,-6.896 -15.225,-6.896
  pour cut-out: -15.011,4.039 -14.954,4.096 -14.954,7.129 -13.349,7.129 -13.23,7.01 -11.907,7.01 -11.907,5.145 -11.315,4.552 -11.365,4.502 -11.365,3.867 -13.03,3.867
  pour cut-out: -11.582,4.343 -11.282,4.644 -11.282,6.779 -10.061,6.779 -9.982,6.858 -9.827,6.703 -8.538,6.703 -6.794,4.959 -6.794,4.206 -7.134,3.867 -9.191,3.867 -9.497,4.173
  pour cut-out: -1.676,1.676 -1.621,1.732 1.56,1.732 2,1.292 1.775,1.067 1.775,-1.586 -1.827,-1.586 -1.858,-1.555
  region net BAT: -12.065,-6.092 -12.065,-10.325 -10.731,-11.659 -4.788,-11.659 -2.336,-14.677 -2.336,-15.85 -0.35,-15.85 -0.431,-13.945 -0.431,-12.04 -1.476,-12.04 -3.203,-9.866 -3.203,-7.849 -10.005,-7.849 -10.005,-5.944
  region net NetM4_2: -23.003,19.66 -23.994,20.65 -23.994,21.717 -23.08,22.631 -22.622,22.631 -21.191,21.2 -20.378,21.2 -19.625,20.447 -19.625,19.838 -20.87,18.593 -21.86,18.593
  region net NetM1_2: -19.642,-23.012 -20.632,-24.003 -21.699,-24.003 -22.613,-23.089 -22.613,-22.631 -21.182,-21.2 -21.182,-20.387 -20.429,-19.634 -19.82,-19.634 -18.575,-20.879 -18.575,-21.869
  region net NetM2_2: 23.012,-19.66 24.003,-20.65 24.003,-21.717 23.089,-22.631 22.631,-22.631 21.2,-21.2 20.387,-21.2 19.634,-20.447 19.634,-19.838 20.879,-18.593 21.869,-18.593
  region net NetM3_2: 19.66,23.012 20.65,24.003 21.717,24.003 22.631,23.089 22.631,22.631 21.2,21.2 21.2,20.387 20.447,19.634 19.838,19.634 18.593,20.879 18.593,21.869
  region net GND: -0.381,-1.676 -0.381,-1.586 -0.319,-1.524 -0.107,-1.524 -0.053,-1.579 -0.053,-3.988 0.201,-4.242 1.338,-4.242 1.593,-3.987 1.593,-3.16 0.899,-3.16 0.608,-2.868 0.608,-1.576 0.693,-1.491 0.859,-1.491 0.979,-1.611 0.979,-2.529 0.983,-2.529 1.119,-2.664 1.92,-2.664 2.523,-3.267 2.523,-5.905 -1.243,-5.905 -1.402,-5.746 -1.402,-3.586 -0.821,-3.005 -0.48,-3.005 -0.381,-2.905
  region net GND: -3.203,4.902 -2.014,4.902 -1.572,4.46 -1.572,1.143 -2.657,1.143 -2.911,0.889 -3.657,0.889 -3.886,1.118 -3.886,4.219
  region net 3V3: -6.248,-6.096 -4.801,-4.648 -4.801,5.298 -2.174,7.925 0.174,7.925 0.306,7.925 0.457,7.751 0.457,7.315 0.271,7.129 -1.998,7.129 -2.438,6.689 -2.438,5.453 -2.776,5.115 -3.403,5.115 -3.734,4.785 -4.052,4.466 -4.052,0.798 -3.609,0.355 -2.946,0.355 -2.819,0.229 -2.819,-2.053 -1.676,-3.191 -1.676,-5.944 -2.896,-7.163 -6.248,-7.163
  region net NetC12_1: -12.017,6.779 -11.176,7.62 -7.087,7.62 -6.477,7.01 -6.477,3.785 -6.604,3.658 -7.299,3.658 -7.398,3.756 -7.398,5.115 -7.617,5.334 -9.296,5.334 -9.555,5.593 -9.555,6.431 -9.982,6.858 -10.82,6.858 -11.278,6.401 -11.278,4.902 -11.379,4.801 -11.938,4.801 -12.017,4.879
  region net +5V: -8.611,-2.159 -8.687,-2.235 -8.687,-5.739 -7.731,-5.739 -7.537,-5.545 -7.537,-2.318 -7.696,-2.159
  region net GND: -13.462,1.891 -13.462,-0.461 -13.335,-0.588 -12.653,-0.588 -12.497,-0.432 -12.497,1.891
  region net BAT: -12.065,1.27 -11.938,1.397 -10.005,1.397 -9.497,0.889 -8.013,0.889 -7.873,0.749 -7.873,-0.588 -7.901,-0.588 -8.583,-1.27 -9.398,-1.27 -9.906,-1.778 -9.892,-1.792 -9.892,-6.604 -12.065,-6.604
  region net GND: -14.63,4.263 -14.478,4.415 -9.555,4.415 -9.144,4.826 -8.128,4.826 -7.62,4.318 -7.62,3.527 -7.454,3.302 -7.123,3.302 -6.858,3.302 -6.731,3.175 -6.477,2.921 -6.477,-4.42 -6.629,-4.572 -7.207,-4.572 -7.315,-4.464 -7.315,0.965 -7.62,1.27 -9.271,1.27 -9.779,1.778 -14.63,1.778

## Silkscreen, mask and mechanical layers (free items; w line width, h text height)
Top Overlay:
  text "USART0_RX" at -8.534,-8.382 h1 r270
  text "USART0_TX" at -10.973,-8.481 h1 r270
  text "GND" at -6.02,-11.659 h1 r270
  text "+5V" at -13.64,-11.963 h1 r270
  text "+" at -1.803,-17.859 h1.52
  text "-" at 0.817,-17.87 h1.52
Bottom Overlay:
  drawing of 6 lines, arcs and shapes, not listed
Top Solder:
  region: 1.397,-2.413 1.397,-1.524 -1.397,-1.524 -1.397,-2.413
  region: 11.684,5.207 10.541,5.207 10.541,1.905 11.684,1.905
  region: 15.367,5.461 15.367,6.604 11.938,6.604 11.938,5.461
  rectangle: 15.621,1.905 16.764,5.207
  region: 11.938,1.651 11.938,0.508 15.367,0.508 15.367,1.651
  region: -1.651,1.397 -2.413,1.397 -2.413,-1.397 -1.651,-1.397
  region: -1.397,2.413 -1.397,1.651 1.397,1.651 1.397,2.413
  rectangle: 1.651,-1.397 2.413,1.397